# Altium PCB Yukitora.PcbDoc (part 2 of 3) (continued)
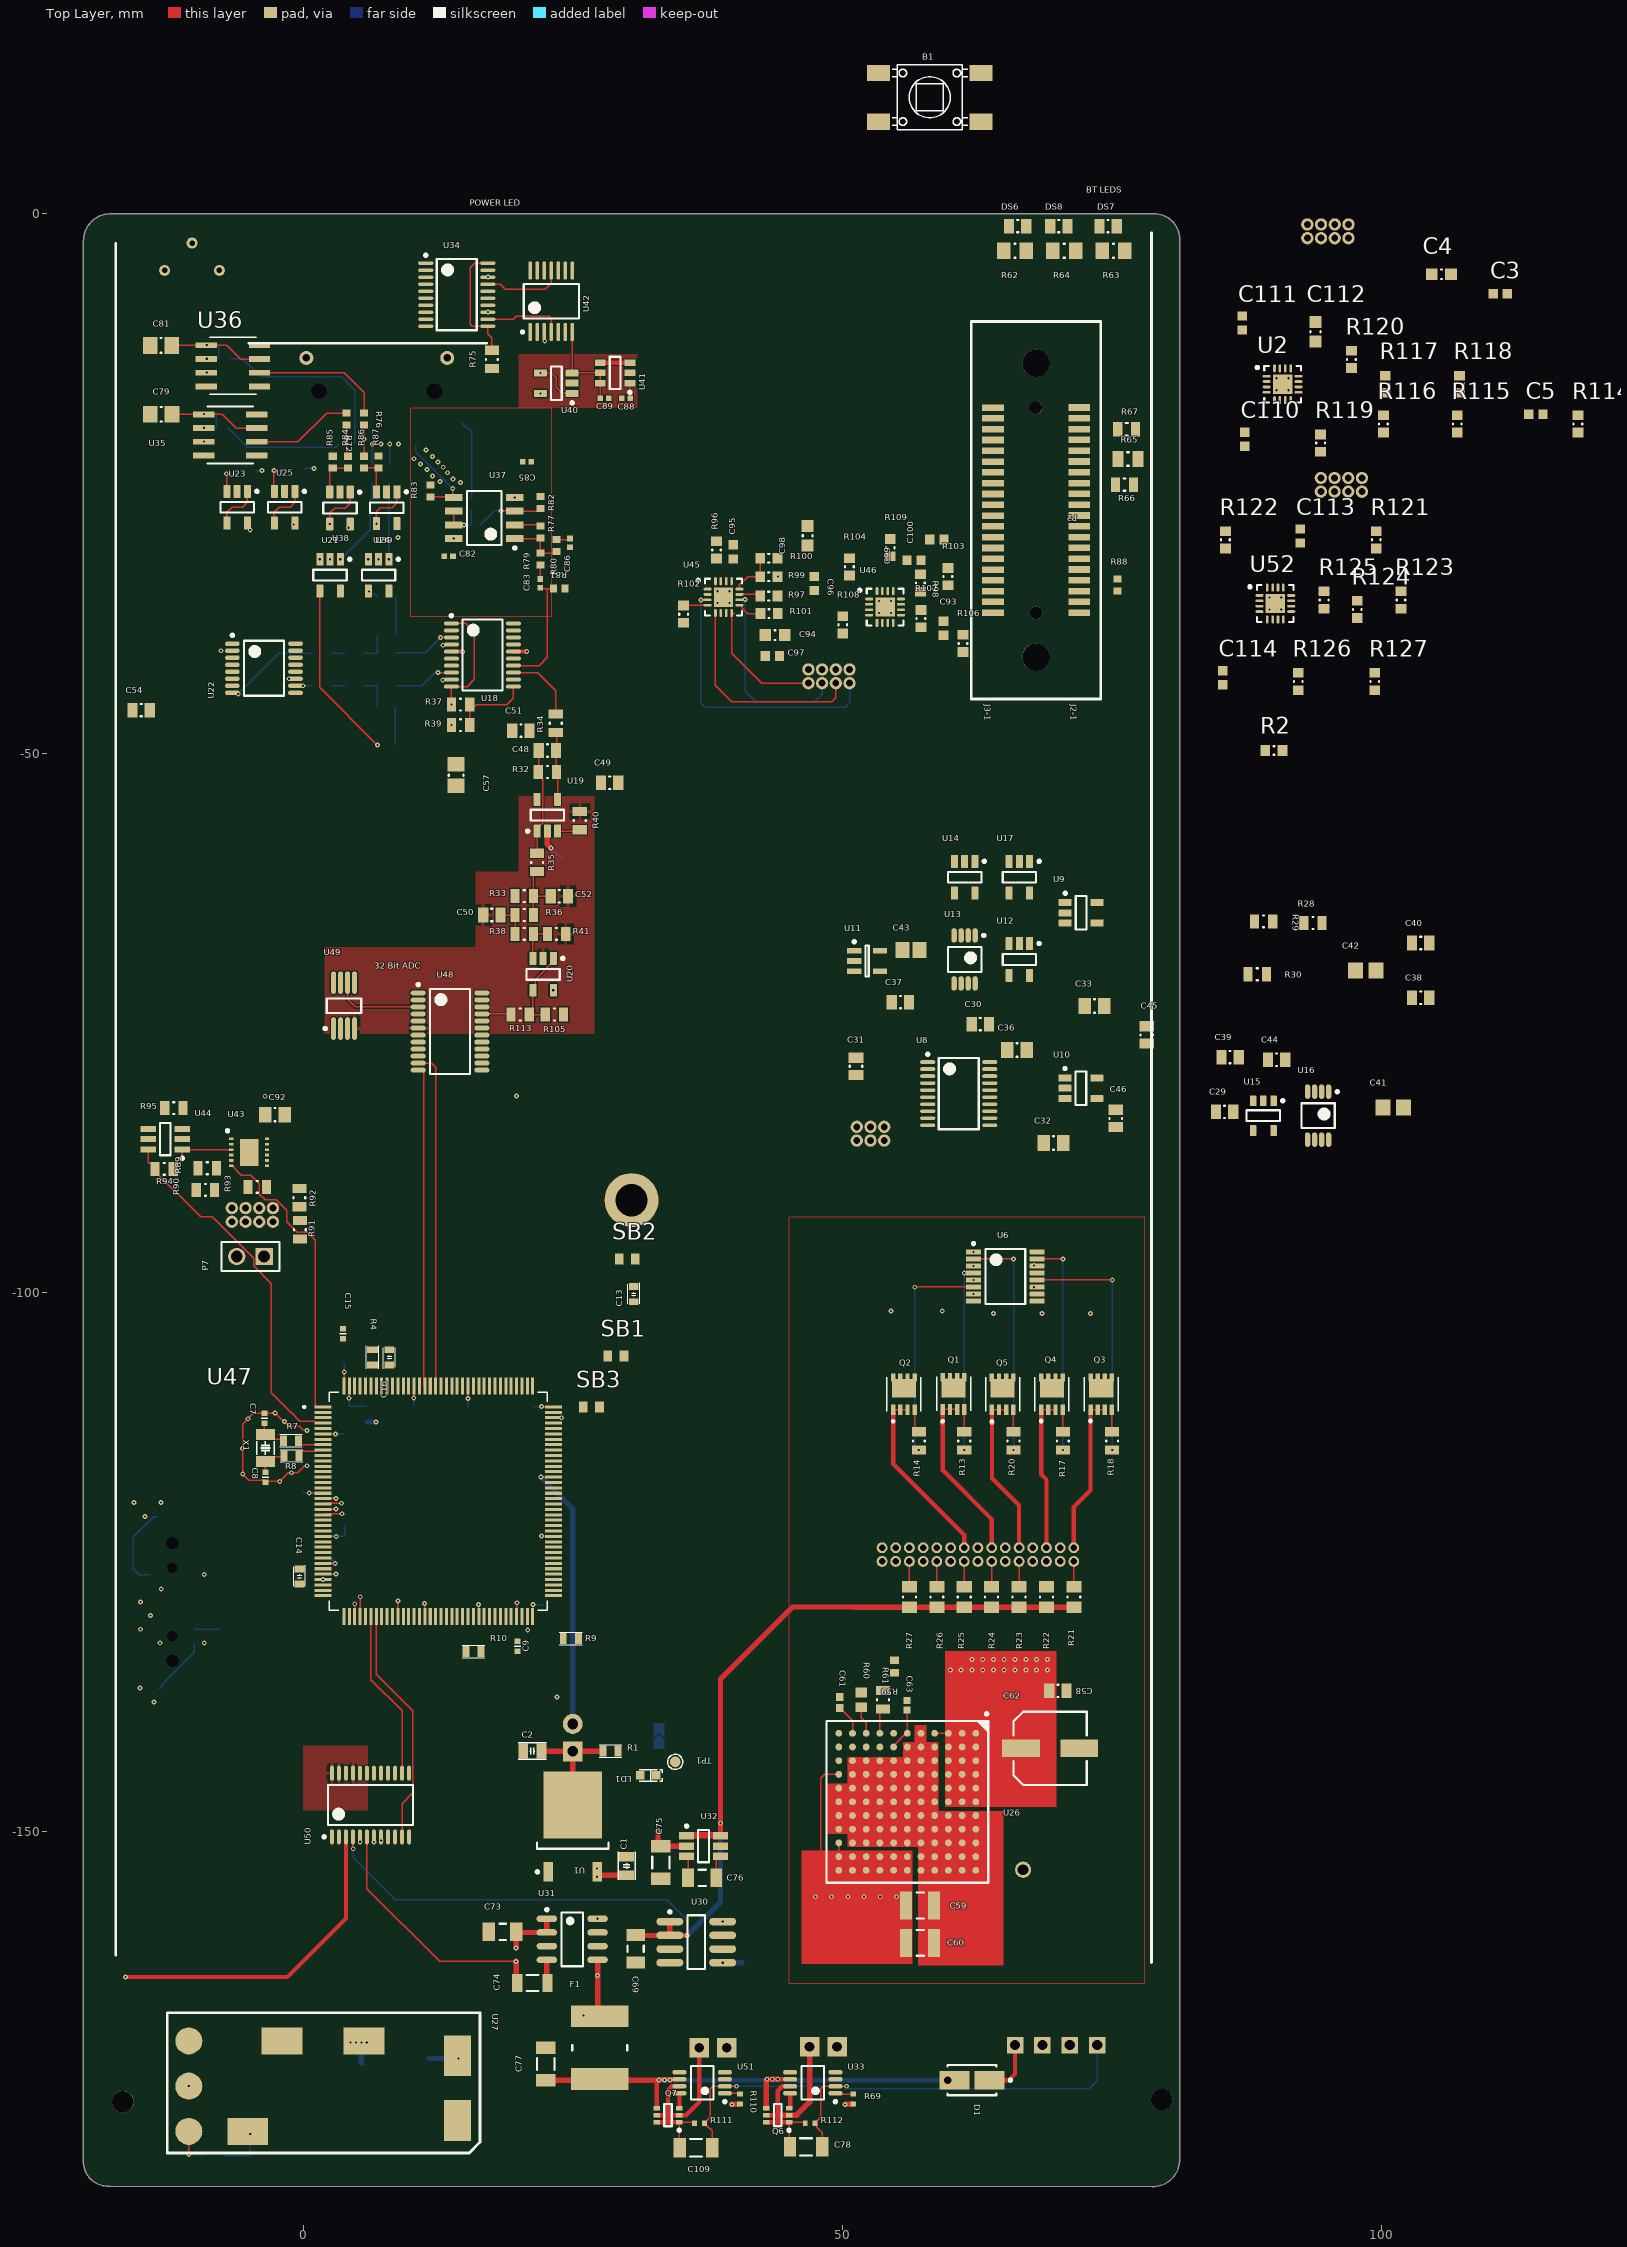
[diagram p0: Top Layer view]
## Part data (continued)
C57 C79 C81: library part CMP-1036-01414-1, "CAP 33pF 25V ±2% 0805 (2012 Metric) Thickness 0.75mm SMD", Case-EIA=0805, Case-Metric=2012, Rated Voltage="25 V", Tolerance=±2%, Max Thickness="0.75 mm", Technology=SMT
C58: library part CMP-1036-04882-1, "22uF 25V X7R 20% 0805", Capacitance=22uF, Case/Package=0805, Case Code (Metric)=2012, Dielectric=X7R, Manufacturer="Kyocera AVX", Manufacturer Part Number=08053C105JAT2A, Max Operating Temperature=125°C, Min Operating Temperature=-55°C, Package Quantity=2000, Supplier Part Number 1=478-10487-1-ND, Tolerance=5%, Voltage Rating=25V, Case Code (Imperial)=0805, ComponentLink1Description=https://datasheet.ciiva.com/221/cx7r-221690.pdf?src-supplier=Digi-Key, ComponentLink1URL=https://datasheet.ciiva.com/221/cx7r-221690.pdf?src-supplier=Digi-Key, ComponentLink2Description=https://datasheet.ciiva.com/5419/cx7r-218113-5419770.pdf?src-supplier=Mouser, ComponentLink2URL=https://datasheet.ciiva.com/5419/cx7r-218113-5419770.pdf?src-supplier=Mouser, ComponentLink3Description=https://datasheet.ciiva.com/28586/1679506-28586091.pdf?src-supplier=Element14, ComponentLink3URL=https://datasheet.ciiva.com/28586/1679506-28586091.pdf?src-supplier=Element14, ComponentLink4Description=https://datasheet.ciiva.com/11499/cx7r-11499836.pdf?src-supplier=Avnet, ComponentLink4URL=https://datasheet.ciiva.com/11499/cx7r-11499836.pdf?src-supplier=Avnet, Contact Plating=Tin, Depth=1.25mm, Height=1.4mm, Lead Free="Lead Free", Length=2.01mm, Mount="Surface Mount", Number of Pins=2, Packaging="Tape and Reel", Pricing 1="1=0.44000, 10=0.30400, 100=0.18220, 500=0.13662, 1000=0.11537 (USD)", Radiation Hardening=No, REACH SVHC=Unknown, RoHS=Yes, Stock 1=13733, Supplier 1=Digi-Key, Termination=SMD/SMT, Thickness=0.037inch, Voltage Rating (DC)=25V, Width=0.049inch
C59 C60: library part CMP-2000-07550-1, "Chip Capacitor, 4.7 uF, +/- 10%, 50 V, -55 to 125 degC, 1210 (3225 Metric), RoHS, Tape and Reel", Capacitance=4.7uF, Case\/Package=1210, Case Code (Metric)=3225, Dielectric=X7R, Dielectric Material=Ceramic, Manufacturer=Kemet, Max Operating Temperature=125degC, Min Operating Temperature=-55degC, Package Description="2-Pin Surface Mount Device, Body 3.2 x 2.5 mm", Package Quantity=1000, Supplier Part Number 1=399-6785-1-ND, Tolerance=10%, Voltage=50V, Case Code (Imperial)=1210, Datasheet URL=https://search.kemet.com/component-edge/download/datasheet/C1210C475K5RACTU.pdf, Datasheet Version=06/2017, Depth=2.5mm, Height=0.098inch, Length=3.2mm, Manufacturer URL=http://www.kemet.com/, Mount=SurfaceMount, Mounting Technology=SurfaceMount, Number of Pins=2, Package Reference=1210, Packaging=TapeandReel, Radiation Hardening=No, REACH SVHC=NoSVHC, RoHSCompliant=True, Supplier 1=Digi-Key, Termination=SMD/SMT, Thickness=0.11inch, Voltage Rating=50V, Voltage Rating (DC)=50V, Width=0.098inch
C61: library part CMP-1034-02089-1, "0.22µF ±10% 16V Ceramic Capacitor X7R 0402 (1005 Metric)", Capacitance=220nF, Case-EIA=0402, Case-Metric=1005, Dielectric=X7R, Manufacturer=Murata, Max Operating Temperature=125°C, Min Operating Temperature=-55°C, Package Quantity=1, Rated Voltage="16 V", Supplier Part Number 1=490-5418-1-ND, Tolerance=±10%, Voltage=16V, Case/Package=0402, Case Code (Imperial)=0402, Case Code (Metric)=1005, ComponentLink1Description=https://datasheet.ciiva.com/18184/getdatasheetpartid-347270-18184668.pdf?src-supplier=Verical, ComponentLink1URL=https://datasheet.ciiva.com/18184/getdatasheetpartid-347270-18184668.pdf?src-supplier=Verical, ComponentLink2Description=https://datasheet.ciiva.com/132/product-132672.pdf?src-supplier=Digi-Key, ComponentLink2URL=https://datasheet.ciiva.com/132/product-132672.pdf?src-supplier=Digi-Key, ComponentLink3Description=https://datasheet.ciiva.com/29199/454127-da-01-en-vs-kondensator-0402-29199807.pdf?src-supplier=Conrad, ComponentLink3URL=https://datasheet.ciiva.com/29199/454127-da-01-en-vs-kondensator-0402-29199807.pdf?src-supplier=Conrad, ComponentLink4Description=https://datasheet.ciiva.com/16467/product-16467307.pdf?src-supplier=Future+Electronics, ComponentLink4URL=https://datasheet.ciiva.com/16467/product-16467307.pdf?src-supplier=Future+Electronics, ComponentLink5Description=https://datasheet.ciiva.com/48671/product-48671325.pdf?src-supplier=Avnet, ComponentLink5URL=https://datasheet.ciiva.com/48671/product-48671325.pdf?src-supplier=Avnet, ComponentLink6Description=https://datasheet.ciiva.com/132/partnumbering-e-01-132670.pdf?src-supplier=Digi-Key, ComponentLink6URL=https://datasheet.ciiva.com/132/partnumbering-e-01-132670.pdf?src-supplier=Digi-Key, ComponentLink7Description=https://datasheet.ciiva.com/132/partnumbering-e-01-132671.pdf?src-supplier=Digi-Key, ComponentLink7URL=https://datasheet.ciiva.com/132/partnumbering-e-01-132671.pdf?src-supplier=Digi-Key, Depth=0.5mm, Height=0.5mm, Lead Free="Lead Free", Length=1mm, Manufacturer Part Number=GRM155R71C224KA12D, Material=Ceramic, Max Thickness="0.6 mm", Mount="Surface Mount", Packaging="Tape and Reel", Pricing 1="1=0.14000, 10=0.10100, 100=0.04750, 500=0.03334, 1000=0.02760, 2500=0.02568, 5000=0.02350 (USD)", Radiation Hardening=No, REACH SVHC="No SVHC", RoHS=Yes, Stock 1=353724, Supplier 1=Digi-Key, Technology=SMT, Termination=SMD/SMT, Thickness=0.022inch, Voltage Rating=16V, Voltage Rating (DC)=16V, Width=0.02inch
C62: library part CMP-0687-00036-1, "Aluminum Electrolytic Capacitor, UD Series, Low Impedance, 68 uF, 25 V, + / - 20%, -55 to 105 degC, Chip Type, 6.3 x 5.8 mm D x L, Pb-Free, Reel", Manufacturer=Nichicon, Rated Capacitance="68 uF", Rated Ripple Current (at 100kHz)="230 mA", Rated Voltage="25 V", Supplier Part Number 1=493-2275-1-ND, Tolerance Rated Capacitance="-20 to 20%", ComponentLink1Description="Manufacturer URL", ComponentLink1URL=http://www.nichicon.co.jp/, ComponentLink2Description=Datasheet, ComponentLink2URL=http://products.nichicon.co.jp/en/pdf/XJA043/e-ud.pdf, ComponentLink3Description="Package Specification", ComponentLink3URL=http://products.nichicon.co.jp/en/pdf/XJA043/e-ud.pdf, DatasheetVersion=08/2012, Diameter="6.3 mm", Endurance Time="2000 h", Impedance="0.44 Ohm", Length="5.8 mm", Mounting Technology="Surface Mount", PackageDescription="2-Pin Surface Mount Device, Diameter 6.3 mm, Height 5.8 mm, Pitch 5.4 mm", PackageReference=CAPAE-D6.3H5.8, Packing="Dia382mm Reel", PartNumber=UUD1E680MCL1GS, RoHS=TRUE, Supplier 1=Digi-Key
C63: library part CMP-2008-02797-1, "10000pF ±10% 16V Ceramic Capacitor X7R 0402 (1005 Metric)", Capacitance=10nF, Case/Package=0402, Case Code (Metric)=1005, Dielectric=X7R, Insulation Resistance=100GR, Manufacturer="AVX Interconnect / Elco", Max Operating Temperature=125°C, Min Operating Temperature=-55°C, Package Quantity=1, Supplier Part Number 1=478-1114-1-ND, Tolerance=10%, Voltage=16V, Case Code (Imperial)=0402, ComponentLink1Description=https://datasheet.ciiva.com/11788/0900766b80dc2409-11788541.pdf?src-supplier=RSComponents, ComponentLink1URL=https://datasheet.ciiva.com/11788/0900766b80dc2409-11788541.pdf?src-supplier=RSComponents, ComponentLink2Description=https://datasheet.ciiva.com/1123/319609-1123954.pdf?src-supplier=Element14, ComponentLink2URL=https://datasheet.ciiva.com/1123/319609-1123954.pdf?src-supplier=Element14, ComponentLink3Description=https://datasheet.ciiva.com/1123/319609-1123955.pdf?src-supplier=Element14, ComponentLink3URL=https://datasheet.ciiva.com/1123/319609-1123955.pdf?src-supplier=Element14, ComponentLink4Description=https://datasheet.ciiva.com/14596/70001075-14596855.pdf?src-supplier=Allied+Electronics, ComponentLink4URL=https://datasheet.ciiva.com/14596/70001075-14596855.pdf?src-supplier=Allied+Electronics, ComponentLink5Description=https://datasheet.ciiva.com/2987/cx7r-2987704.pdf?src-supplier=Avnet, ComponentLink5URL=https://datasheet.ciiva.com/2987/cx7r-2987704.pdf?src-supplier=Avnet, ComponentLink6Description=https://datasheet.ciiva.com/22749/683218-22749625.pdf?src-supplier=Element14, ComponentLink6URL=https://datasheet.ciiva.com/22749/683218-22749625.pdf?src-supplier=Element14, ComponentLink7Description=https://datasheet.ciiva.com/16290/cx7r-16290154.pdf?src-supplier=Future+Electronics, ComponentLink7URL=https://datasheet.ciiva.com/16290/cx7r-16290154.pdf?src-supplier=Future+Electronics, ComponentLink8Description=https://datasheet.ciiva.com/7709/683218-7709771.pdf?src-supplier=Element14, ComponentLink8URL=https://datasheet.ciiva.com/7709/683218-7709771.pdf?src-supplier=Element14, ComponentLink9Description=https://datasheet.ciiva.com/15212/getdatasheetpartid-110062-15212107.pdf?src-supplier=Verical, ComponentLink9URL=https://datasheet.ciiva.com/15212/getdatasheetpartid-110062-15212107.pdf?src-supplier=Verical, ComponentLink10Description=https://datasheet.ciiva.com/5417/cx7r-218113-5417068.pdf?src-supplier=Mouser, ComponentLink10URL=https://datasheet.ciiva.com/5417/cx7r-218113-5417068.pdf?src-supplier=Mouser, ComponentLink11Description=https://datasheet.ciiva.com/150/cx7r-150221.pdf?src-supplier=Digi-Key, ComponentLink11URL=https://datasheet.ciiva.com/150/cx7r-150221.pdf?src-supplier=Digi-Key, ComponentLink12Description=https://datasheet.ciiva.com/150/cx7r-150222.pdf?src-supplier=Digi-Key, ComponentLink12URL=https://datasheet.ciiva.com/150/cx7r-150222.pdf?src-supplier=Digi-Key, ComponentLink13Description=https://datasheet.ciiva.com/150/cx7r-150223.pdf?src-supplier=Digi-Key, ComponentLink13URL=https://datasheet.ciiva.com/150/cx7r-150223.pdf?src-supplier=Digi-Key, Contact Plating=Tin, Depth=0.5mm, Height=0.5mm, Lead Free="Lead Free", Length=1mm, Manufacturer Part Number=0402YC103KAT2A, Mount="Surface Mount", Packaging="Tape and Reel", Part Number=0402YC103KAT2A, Pricing 1="1=0.10000, 10=0.03800, 100=0.01690, 500=0.01210, 1000=0.00950, 2500=0.00864, 5000=0.00795 (USD)", Radiation Hardening=No, REACH SVHC="No SVHC", RoHS=Yes, Stock 1=3382324, Supplier 1=Digi-Key, Termination=SMD/SMT, Thickness=0.022inch, Voltage Rating=16V, Voltage Rating (DC)=16V, Width=0.5mm
C64: library part CMP-1036-04882-1, "4700pF ±10% 100V Ceramic Capacitor X7R 1206 (3216 Metric)", Capacitance=4.7nF, Case/Package=0805, Case Code (Metric)=2012, Dielectric=X7R, Dielectric Material=Tantalum, Manufacturer=KEMET, Max Operating Temperature=125°C, Min Operating Temperature=-55°C, Package Quantity=4000, Supplier Part Number 1=399-17897-1-ND, Tolerance=10%, Voltage Rating (DC)=25V, Case Code (Imperial)=0805, ComponentLink1Description=https://api.kemet.com/component-edge/download/datasheet/C1206C472K1RECAUTO.pdf?src-supplier=Digi-Key, ComponentLink1URL=https://api.kemet.com/component-edge/download/datasheet/C1206C472K1RECAUTO.pdf?src-supplier=Digi-Key, ComponentLink2Description=https://datasheet.ciiva.com/11495/vjw1bcbascomseries-11495305.pdf?src-supplier=Avnet, ComponentLink2URL=https://datasheet.ciiva.com/11495/vjw1bcbascomseries-11495305.pdf?src-supplier=Avnet, Depth=1.25mm, Height=1.45mm, Lead Free="Lead Free", Length=2mm, Manufacturer Part Number=C1206C472K1RECAUTO, Mount="Surface Mount", Packaging="Tape and Reel", Pricing 1="1=0.27000, 10=0.18700, 100=0.10610, 500=0.07490, 1000=0.06554 (USD)", Pricing 2="1=0.44000, 10=0.44000, 50=0.35100, 100=0.26700, 1000=0.10100, 10000=0.04500 (USD)", RoHS=No, Stock 1=11581, Stock 2=549, Supplier 1=Digi-Key, Supplier 2=Mouser, Supplier Part Number 2=77-VJ0805Y472KXXCBC, Termination=SMD/SMT, Width=1.25mm
C65: library part CMP-1038-00936-1, "4700pF ±10% 100V Ceramic Capacitor X7R 1206 (3216 Metric)", Capacitance=4.7uF, Manufacturer=KEMET, Supplier Part Number 1=399-17897-1-ND, ComponentLink1Description=https://datasheet.ciiva.com/193/kem-c1015-x7r-ff-cap-smd-193189.pdf?src-supplier=Digi-Key, ComponentLink1URL=https://datasheet.ciiva.com/193/kem-c1015-x7r-ff-cap-smd-193189.pdf?src-supplier=Digi-Key, ComponentLink2Description=https://datasheet.ciiva.com/7807/6129-7807311.pdf?src-supplier=Element14, ComponentLink2URL=https://datasheet.ciiva.com/7807/6129-7807311.pdf?src-supplier=Element14, ComponentLink3Description=http://www.mouser.com/ds/2/212/KEM_C1013_X7R_FT-CAP_SMD-346914.pdf?src-supplier=Mouser, ComponentLink3URL=http://www.mouser.com/ds/2/212/KEM_C1013_X7R_FT-CAP_SMD-346914.pdf?src-supplier=Mouser, ComponentLink4Description=https://api.kemet.com/component-edge/download/datasheet/C1206C472K1RECAUTO.pdf?src-supplier=Digi-Key, ComponentLink4URL=https://api.kemet.com/component-edge/download/datasheet/C1206C472K1RECAUTO.pdf?src-supplier=Digi-Key, Manufacturer Part Number=C1206C472K1RECAUTO, Pricing 1="1=0.27000, 10=0.18700, 100=0.10610, 500=0.07490, 1000=0.06554 (USD)", RoHS=No, Stock 1=11581, Supplier 1=Digi-Key
C69 C73: library part CMP-2000-06351-1, "Chip Capacitor, 10 uF, +/- 10%, 16 V, -55 to 125 degC, 1206 (3216 Metric), RoHS, Tape and Reel", Capacity (elec.)=10µF, Manufacturer=Murata, Nominal voltage=16V, Package Description="2-Pin Surface Mount Device, Body 3.2 x 1.6 mm", Package Reference=1206, Tolerance=10%, Category=Ceramiccapacitor, Content=1pc(s), Datasheet URL=http://psearch.en.murata.com/capacitor/product/GRM31CR71C106KA12%23.pdf, Datasheet Version=10/2016, Manufacturer URL=http://www.murata.com/, Material=Ceramic, Material properties=X7R, Mounting Technology=SurfaceMount, Type=SMD
C70 C72 C76: library part CMP-2000-06011-1, "Chip Capacitor, 1 uF, +/- 10%, 50 V, -55 to 125 degC, 1206 (3216 Metric), RoHS, Tape and Reel", Capacitance=1uF, Capacitance - nF=1000nF, Case Code - in=1206, Case Code - mm=3216, Case Height=1mm, Case Length=3.2mm, Case Width=1.6mm, Dielectric=X7R, Manufacturer=Kemet, Maximum Operating Temperature=+125C, Minimum Operating Temperature=-55C, Operating Temperature Range=-55Cto+125C, Package / Case=1206(3216metric), Package Description="2-Pin Surface Mount Device, Body 3.2 x 1.6 mm", Temperature Coefficient / Code=+/-15%, Tolerance=10%, Voltage Rating=50V, =C1206C105K5RAC7800, Brand=Kemet, Class=Class1, Datasheet URL=http://www.kemet.com/docfinder?Partnumber=C1206C105K5RACTU, Datasheet Version=02/2016, Dimensions=1.6mmWx3.2mmLx1mmH, Factory Pack Quantity=2500, Manufacturer URL=http://www.kemet.com/, Mounting Technology=SurfaceMount, Package Reference=1206, Packaging=Reel, Product=GeneralTypeMLCCs, Product Category=MultilayerCeramicCapacitorsMLCC-SMD/SMT, RoHS=Details, Series=C1206C, Termination Style=SMD/SMT, Type=SMDMLCCX7R6.3-250VDCCommericalGrade, Voltage Rating DC=50V
C71 C74: library part CMP-1037-03470-1, "CAP 10nF 16V ±10% 1206 (3216 Metric) Thickness 1.1mm SMD", Case-EIA=1206, Case-Metric=3216, Rated Voltage="16 V", Tolerance=±10%, Max Thickness="1.1 mm", Technology=SMT
C75: library part CMP-1037-04913-1, "10µF ±20% 6.3V Ceramic Capacitor X5R 1206 (3216 Metric)", Capacitance=10uF, Manufacturer="Taiyo Yuden", Operating Temperature="-55°C ~ 85°C", Package / Case="1206 (3216 Metric)", Ratings=-, Supplier Part Number 1=587-5447-1-ND, Temperature Coefficient=X5R, Tolerance=±20%, Voltage - Rated=6.3V, Applications="SMPS Filtering", Category=Capacitors, ComponentLink1Description=http://ds.yuden.co.jp/TYCOMPAS/ut/detail.do?productNo=JMK316BJ106ML-T&fileName=JMK316BJ106ML-T_SS&mode=specSheetDownload, ComponentLink1URL=http://ds.yuden.co.jp/TYCOMPAS/ut/detail.do?productNo=JMK316BJ106ML-T&fileName=JMK316BJ106ML-T_SS&mode=specSheetDownload, Failure Rate=-, Features=-, Height - Seated (Max)=-, Lead Spacing=-, Lead Style=-, Manufacturer Part Number=JMK316BJ106ML-T, Mounting Type="Surface Mount, MLCC", Notification="Current market demand for these product types have resulted in fluctuating and extending lead times. Lead times may differ.", Packaging="Cut Tape (CT)", Part Status=Active, Pricing 1="1=0.24, 10=0.161, 100=0.0817, 500=0.05592, 1000=0.04946 (USD)", RoHS="RoHS Compliant", Size / Dimension="0.126\" L x 0.063\" W (3.20mm x 1.60mm)", Stock 1=5600, Supplier 1=Digi-Key, Thickness (Max)="0.071\" (1.80mm)"
C77: library part CMP-1037-04913-1, Capacitance=22pF, Manufacturer="Taiyo Yuden", Manufacturer Part Number=JMK316BJ106ML-T, Operating Temperature="-55°C ~ 85°C", Package / Case="1206 (3216 Metric)", Ratings=-, Supplier Part Number 1=587-5447-1-ND, Temperature Coefficient=X5R, Tolerance=±20%, Voltage - Rated=6.3V, Applications="SMPS Filtering", Category=Capacitors, ComponentLink1Description=http://ds.yuden.co.jp/TYCOMPAS/ut/detail.do?productNo=JMK316BJ106ML-T&fileName=JMK316BJ106ML-T_SS&mode=specSheetDownload, ComponentLink1URL=http://ds.yuden.co.jp/TYCOMPAS/ut/detail.do?productNo=JMK316BJ106ML-T&fileName=JMK316BJ106ML-T_SS&mode=specSheetDownload, Failure Rate=-, Features=-, Height - Seated (Max)=-, Lead Spacing=-, Lead Style=-, Mounting Type="Surface Mount, MLCC", Notification="Current market demand for these product types have resulted in fluctuating and extending lead times. Lead times may differ.", Packaging="Cut Tape (CT)", Part Status=Active, Pricing 1="1=0.24, 10=0.161, 100=0.0817, 500=0.05592, 1000=0.04946 (USD)", RoHS="RoHS Compliant", Size / Dimension="0.126\" L x 0.063\" W (3.20mm x 1.60mm)", Stock 1=5600, Supplier 1=Digi-Key, Thickness (Max)="0.071\" (1.80mm)"
C78 C109: library part CMP-1037-04913-1, Capacitance=.1uF, Manufacturer="Taiyo Yuden", Manufacturer Part Number=JMK316BJ106ML-T, Operating Temperature="-55°C ~ 85°C", Package / Case="1206 (3216 Metric)", Ratings=-, Supplier Part Number 1=587-5447-1-ND, Temperature Coefficient=X5R, Tolerance=±20%, Voltage - Rated=6.3V, Applications="SMPS Filtering", Category=Capacitors, ComponentLink1Description=http://ds.yuden.co.jp/TYCOMPAS/ut/detail.do?productNo=JMK316BJ106ML-T&fileName=JMK316BJ106ML-T_SS&mode=specSheetDownload, ComponentLink1URL=http://ds.yuden.co.jp/TYCOMPAS/ut/detail.do?productNo=JMK316BJ106ML-T&fileName=JMK316BJ106ML-T_SS&mode=specSheetDownload, Failure Rate=-, Features=-, Height - Seated (Max)=-, Lead Spacing=-, Lead Style=-, Mounting Type="Surface Mount, MLCC", Notification="Current market demand for these product types have resulted in fluctuating and extending lead times. Lead times may differ.", Packaging="Cut Tape (CT)", Part Status=Active, Pricing 1="1=0.24, 10=0.161, 100=0.0817, 500=0.05592, 1000=0.04946 (USD)", RoHS="RoHS Compliant", Size / Dimension="0.126\" L x 0.063\" W (3.20mm x 1.60mm)", Stock 1=5600, Supplier 1=Digi-Key, Thickness (Max)="0.071\" (1.80mm)"
C82 C83 C84 C85 C86 C87 C88 C89 C91: library part CMP-1034-00252-1, "CAP CER 0.1UF 10V X7R 0402", Manufacturer="Murata Electronics North America", Manufacturer Part Number=GRM155R71A104KA01D, Operating Temperature="-55°C ~ 125°C", Package / Case="0402 (1005 Metric)", Ratings=-, Supplier Part Number 1=490-6321-1-ND, Temperature Coefficient=X7R, Tolerance=±10%, Voltage - Rated=10V, Applications="General Purpose", Category=Capacitors, ComponentLink1Description=http://www.murata.com/~/media/webrenewal/support/library/catalog/products/capacitor/mlcc/c02e.ashx?la=en-us, ComponentLink1URL=http://www.murata.com/~/media/webrenewal/support/library/catalog/products/capacitor/mlcc/c02e.ashx?la=en-us, Features=-, Height - Seated (Max)=-, Lead Spacing=-, Mounting Type="Surface Mount, MLCC", Packaging="Cut Tape (CT)", Part Status=Active, Pricing 1="1=0.1, 10=0.014, 100=0.0063, 500=0.00446, 1000=0.00351, 2500=0.00319, 5000=0.00293 (USD)", RoHS="RoHS Compliant", Size / Dimension="0.039\" L x 0.020\" W (1.00mm x 0.50mm)", Stock 1=2920395, Supplier 1=Digi-Key, Thickness (Max)="0.022\" (0.55mm)"
C90: library part CMP-1036-04795-1, "CAP CER 10UF 25V X7R 0805", Capacitance=10µF, Manufacturer="Murata Electronics North America", Manufacturer Part Number=GRM21BR71E104KA01L, Operating Temperature="-55°C ~ 125°C", Package / Case="0805 (2012 Metric)", Ratings=-, Supplier Part Number 1=490-1673-6-ND, Temperature Coefficient=X7R, Tolerance=±10%, Voltage - Rated=25V, Applications="General Purpose", Category=Capacitors, ComponentLink1Description=http://www.murata.com/~/media/webrenewal/support/library/catalog/products/capacitor/mlcc/c02e.ashx, ComponentLink1URL=http://www.murata.com/~/media/webrenewal/support/library/catalog/products/capacitor/mlcc/c02e.ashx, Features=-, Height - Seated (Max)=-, Lead Spacing=-, Lead Style=-, Mounting Type="Surface Mount, MLCC", Packaging=Digi-Reel®, Part Status=Active, Pricing 1="1=0.2, 10=0.145, 100=0.0683, 500=0.04788, 1000=0.03964 (USD)", RoHS="RoHS Compliant", Size / Dimension="0.079\" L x 0.049\" W (2.00mm x 1.25mm)", Stock 1=891652, Supplier 1=Digi-Key, Thickness (Max)="0.053\" (1.35mm)"
CN1: library part MCD-01226, "Header 5x2, 1.27mm, Dual row, Straight, Surface mount, vertical male connector. 3.05mm lead. Mates with FFSD connector. Footprint compatible with FTSH-107-01-L-DV,-K,-A,-P,-ES (STDC14 MEDIUM)", Alternate_Manufacturer=JIUBABA, Alternate_Manufacturer_Part_Number=P127B-2x05MGF-079-1A, Manufacturer=SAMTEC, Manufacturer_Part_Number=FTSH-105-01-L-DV-K, ComponentLink1Description=Datasheet, ComponentLink1URL=http://tunmcdsvn.tun.st.com/Component_Datasheet_Library/Trunk/Connectors/Samtec_FTSH_smt_series, ECCN_EU=n/a, ECCN_US=n/a, Internal_Part_Number=MCD-01226, Part_Type=Connector, Provided_By=SUBCO, Status=Released
D1: library part "D Schottky", "DIODE SCHOTTKY 40V 5A DO214AB", Capacitance @ Vr, F="380pF @ 4V, 1MHz", Current - Average Rectified (Io)=5A, Manufacturer="Comchip Technology", Operating Temperature - Junction="-50°C ~ 150°C", Package / Case="DO-214AC, SMA", Supplier Device Package="DO-214AC (SMA)", Supplier Part Number 1=641-1707-6-ND, Category="Discrete Semiconductor Products", ComponentLink1Description=http://www.comchiptech.com/cms/UserFiles/CDBA540-HF%20Thru505315.%20CDBA5200-HF%20RevC.pdf, ComponentLink1URL=http://www.comchiptech.com/cms/UserFiles/CDBA540-HF%20Thru505315.%20CDBA5200-HF%20RevC.pdf, Diode Type=Schottky, Manufacturer Part Number=CDBA540-HF, Mounting Type="Surface Mount", Packaging=Digi-Reel®, Part Status=Active, Pricing 1="1=0.49, 10=0.381, 25=0.3208, 100=0.2612, 250=0.2164, 500=0.1791, 1000=0.13432, 2500=0.12313 (USD)", RoHS="RoHS Compliant", Speed="Fast Recovery =< 500ns, > 200mA (Io)", Stock 1=7367, Supplier 1=Digi-Key
DS1 DS2 DS3 DS4 DS5: library part "LED A/K", Case/Package=0805, Case Code (Metric)=2012, Colour=Red, Forward Current=20mA, Forward Voltage=2V, Lens Colour=Colorless, Manufacturer="Vishay / Lite-On", Manufacturer Part Number=LTST-S220KRKT, Max Operating Temperature=85°C, Min Operating Temperature=-55°C, Package Quantity=4000, Power Dissipation=75mW, Supplier Part Number 1=160-1469-1-ND, Case Code (Imperial)=0805, ComponentLink1Description=https://datasheet.ciiva.com/2110/s-110-ltst-s220krkt-2110132.pdf, ComponentLink1URL=https://datasheet.ciiva.com/2110/s-110-ltst-s220krkt-2110132.pdf, ComponentLink2Description=https://datasheet.ciiva.com/2110/s-110-ltst-s220krkt-2110133.pdf, ComponentLink2URL=https://datasheet.ciiva.com/2110/s-110-ltst-s220krkt-2110133.pdf, ComponentLink3Description=https://datasheet.ciiva.com/2110/s-110-ltst-s220krkt-2110134.pdf, ComponentLink3URL=https://datasheet.ciiva.com/2110/s-110-ltst-s220krkt-2110134.pdf, ComponentLink4Description=https://datasheet.ciiva.com/12403/lite-on-ltst-s220krkt-187389-12403798.pdf, ComponentLink4URL=https://datasheet.ciiva.com/12403/lite-on-ltst-s220krkt-187389-12403798.pdf, ComponentLink5Description=https://datasheet.ciiva.com/16345/lite-onltst-s220krkt-16345511.pdf, ComponentLink5URL=https://datasheet.ciiva.com/16345/lite-onltst-s220krkt-16345511.pdf, ComponentLink6Description=https://datasheet.ciiva.com/15118/getdatasheetpartid-225752-15118120.pdf, ComponentLink6URL=https://datasheet.ciiva.com/15118/getdatasheetpartid-225752-15118120.pdf, ComponentLink7Description=https://datasheet.ciiva.com/14633/0900766b80dc0b76-14633737.pdf, ComponentLink7URL=https://datasheet.ciiva.com/14633/0900766b80dc0b76-14633737.pdf, ComponentLink8Description=https://datasheet.ciiva.com/11775/0900766b80dc0b76-11775439.pdf, ComponentLink8URL=https://datasheet.ciiva.com/11775/0900766b80dc0b76-11775439.pdf, Depth=0.6mm, Dominant Wavelength=631nm, Height=0.6mm, Illumination Colour=Red, Lead Free="Lead Free", Length=2.1mm, Lens Style=Diffused,Colorless, Lens Transparency=Clear, Luminous Intensity=54mcd, Mount="Surface Mount", Number of Elements=1, Number of LEDs=1, Number of Pins=2, Packaging="Tape and Reel", Power Rating=75mW, Pricing 1="1=0.31, 10=0.225, 25=0.1656, 100=0.1183, 250=0.0804, 500=0.071, 1000=0.0556 (USD)", Radiation Hardening=No, Stock 1=108191, Supplier 1=Digi-Key, Test Current=20mA, Viewing Angle=130°, Wavelength=639nm, Width=1mm
DS6 DS7 DS8: library part "LED A/K", Case/Package=0805, Case Code (Metric)=2012, Colour=Green, Forward Current=20mA, Forward Voltage=2V, Lens Colour=Colorless, Manufacturer="Vishay / Lite-On", Manufacturer Part Number=LTST-S220KGKT, Max Operating Temperature=85°C, Min Operating Temperature=-55°C, Package Quantity=4000, Power Dissipation=75W, Power Rating=75mW, Supplier Part Number 1=160-1468-1-ND, Case Code (Imperial)=0805, ComponentLink1Description=https://datasheet.ciiva.com/11775/0900766b80dc0b70-11775441.pdf, ComponentLink1URL=https://datasheet.ciiva.com/11775/0900766b80dc0b70-11775441.pdf, ComponentLink2Description=https://datasheet.ciiva.com/2110/s-110-ltst-s220kgkt-2110069.pdf, ComponentLink2URL=https://datasheet.ciiva.com/2110/s-110-ltst-s220kgkt-2110069.pdf, ComponentLink3Description=https://datasheet.ciiva.com/2110/s-110-ltst-s220kgkt-2110070.pdf, ComponentLink3URL=https://datasheet.ciiva.com/2110/s-110-ltst-s220kgkt-2110070.pdf, ComponentLink4Description=https://datasheet.ciiva.com/12400/100-ltst-s220kgkt-59602-12400886.pdf, ComponentLink4URL=https://datasheet.ciiva.com/12400/100-ltst-s220kgkt-59602-12400886.pdf, ComponentLink5Description=https://datasheet.ciiva.com/2110/s-110-ltst-s220kgkt-2110071.pdf, ComponentLink5URL=https://datasheet.ciiva.com/2110/s-110-ltst-s220kgkt-2110071.pdf, ComponentLink6Description=https://datasheet.ciiva.com/16379/ltst-s220kgkt-16379082.pdf, ComponentLink6URL=https://datasheet.ciiva.com/16379/ltst-s220kgkt-16379082.pdf, ComponentLink7Description=http://www.farnell.com/cad/2124774.pdf, ComponentLink7URL=http://www.farnell.com/cad/2124774.pdf, ComponentLink8Description=http://www.farnell.com/datasheets/693084.pdf, ComponentLink8URL=http://www.farnell.com/datasheets/693084.pdf, Depth=0.6mm, Dominant Wavelength=568nm, Height=0.6mm, Illumination Colour=Green, Lead Free="Lead Free", Length=2.1mm, Lens Style=Diffused,Colorless, Lens Transparency=Clear, Luminous Intensity=35mcd, Mount="Surface Mount", Number of Elements=1, Number of LEDs=1, Number of Pins=2, Packaging="Tape and Reel", Pricing 1="1=0.29, 10=0.212, 25=0.1564, 100=0.1117, 250=0.0759, 500=0.067, 1000=0.0525 (USD)", Pricing 2="1=0.325, 10=0.317, 100=0.23, 200=0.228, 400=0.182, 900=0.147, 3000=0.114, 9000=0.107 (GBP)", Radiation Hardening=No, RoHS=YES, Stock 1=74800, Stock 2=2271, Supplier 1=Digi-Key, Supplier 2=Farnell, Supplier Part Number 2=2062310, Test Current=20mA, Viewing Angle=130°, Wavelength=574nm, Width=1mm
J1: "FCS8 Socket Assembly, 20-Pins, w/ Alignment Pins", Manufacturer=SAMTEC, CREATED="31 NOV 2013 - WENDY XIN", PCB DECAL=FCS8-10-01-X-S-A
JP1: library part MCD-00683, "Header, 2x1, 2,54mm, VR, TH, Height 5.84mm/2.54mm - Shunt Fitted by default", Alternate_Manufacturer=LIANYI, Alternate_Manufacturer_Part_Number=313102S111116, Manufacturer=SAMTEC, Manufacturer_Part_Number=TSW-102-07-x-S, ComponentLink1Description=Datasheet, ComponentLink1URL=http://tunmcdsvn.tun.st.com/Component_Datasheet_Library/Trunk/Connectors/Samtec_TSW-HTSW-series, ECCN_EU=n/a, ECCN_US=n/a, Internal_Part_Number=MCD-00683, Part_Type=Connector, Provided_By=SUBCO, Status=Released
LD1: library part MCD-00588, "LED Green, 0603 SMD, Forward Voltage Typ=2V, Max=2.5V", Alternate_Manufacturer="VISHAY SEMICONDUCTOR OPTO DIVISION", Alternate_Manufacturer_Part_Number=VLMTG1300-GS08, Manufacturer="OSRAM OPTO SEMICONDUCTORS", Manufacturer_Part_Number="LG Q396-PS-35", Package="LED 0603", ComponentLink1Description=Datasheet, ComponentLink1URL="http://tunmcdsvn.tun.st.com/Component_Datasheet_Library/Trunk/Display/OSRAM_LED_GREEN_LG Q396-PS-35", ECCN_EU=n/a, ECCN_US=n/a, Internal_Part_Number=MCD-00588, Order_Code_Digikey="LG Q396-PS-35-ND", Part_Type=Display, Provided_By=SUBCO, Status=Released
P1: Manufacturer=Samtec, Supplier Part Number 1=200-TFM10301LDRA, Manufacturer Part Number=TFM-103-01-L-D-RA, Pricing 1="1=2.15000, 10=1.78000, 50=1.78000, 100=1.33000, 1000=0.98500, 10000=0.92500 (USD)", RoHS=No, Stock 1=202, Supplier 1=Mouser, System=Connector
P2: Manufacturer=Samtec, Max Current Rating=1A, Max Operating Temperature=125°C, Min Operating Temperature=-55°C, ComponentLink1Description=https://datasheet.ciiva.com/9801/fsi-03-9801254.pdf?src-supplier=Avnet, ComponentLink1URL=https://datasheet.ciiva.com/9801/fsi-03-9801254.pdf?src-supplier=Avnet, Contact Material=Copper, Contact Plating=Gold, Depth=8.76mm, Gender=Male, Housing Material=Polymer, Length=34.1mm, Manufacturer Part Number=FSI-120-03-G-D-E-AB, Number of Contacts=40, Number of Rows=2, Orientation=Straight, Packaging=Rail/Tube, Pitch=1mm, Pricing 2="1=9.64000, 10=9.22000, 100=7.76000, 500=6.50000, 1000=5.74000 (USD)", RoHS=Yes, Stock 2=100, Supplier 1=Avnet, Supplier 2=Newark, Supplier Part Number 1=FSI-120-03-G-D-E-AB, Supplier Part Number 2=39AC0344, Termination=Solder
P4: Current Rating=-, Insulation Color=Natural, Manufacturer="Samtec Inc.", Material Flammability Rating="UL94 V-0", Operating Temperature="-55°C ~ 125°C", Supplier Part Number 1=SAM9597-ND, Voltage Rating="675VAC, 954VDC", Applications=-, Category="Connectors, Interconnects", ComponentLink1Description=http://suddendocs.samtec.com/prints/ipl1-1xx-xx-xxx-s-xx-x-xx-mkt.pdf, ComponentLink1URL=http://suddendocs.samtec.com/prints/ipl1-1xx-xx-xxx-s-xx-x-xx-mkt.pdf, Connector Type=Header, Contact Finish - Mating=Gold, Contact Finish - Post=Tin, Contact Finish Thickness - Mating="10µin (0.25µm)", Contact Finish Thickness - Post=-, Contact Length - Mating="0.215\" (5.46mm)", Contact Length - Post="0.085\" (2.16mm)", Contact Material="Phosphor Bronze", Contact Shape=Square, Contact Type="Male Pin", Fastening Type="Locking Ramp", Features=-, Ingress Protection=-, Insulation Height="0.240\" (6.10mm)", Insulation Material="Liquid Crystal Polymer (LCP)", Manufacturer Part Number=IPL1-104-01-L-S-RA-K, Mated Stacking Heights=-, Mounting Type="Through Hole, Right Angle", Number of Positions=4, Number of Positions Loaded=All, Number of Rows=1, Overall Contact Length=-, Packaging=Tube, Part Status=Active, Pitch - Mating="0.100\" (2.54mm)", Pricing 1="1=2.53, 10=2.424, 100=2.02, 500=1.717, 1000=1.4645, 5000=1.313 (USD)", RoHS="RoHS Compliant", Row Spacing - Mating=-, Shrouding="Shrouded - 4 Wall", Stock 1=265, Style="Board to Cable/Wire", Supplier 1=Digi-Key, Termination=Solder
P7: library part CMP-1502-01060-1, "THT Vertical Pin Header WR-PHD, Pitch 2.54 mm, Single Row, 2 pins", Contact Resistance=20mOhm, Manufacturer="Wurth Elektronik", Operating Temperature=-40to105degC, Rated Current=3A, Withstanding Voltage=500VAC, Working Voltage=250VAC, Datasheet URL=https://katalog.we-online.de/em/datasheet/6130xx11121.pdf, Gender=Male, Manufacturer URL=http://www.we-online.de, Mounting Technology=THT, Orientation=Vertical, Package Reference=61300211121, Packaging=Bag, Part Number=61300211121, Pin Number=2, Pitch=2.54mm, Publisher=WurthElektronik, Row Number=Single
Q1 Q2 Q3 Q4 Q5: "P-Channel 40 V 0.025 Ohm 39 W Surface Mount Power Mosfet - PowerPAK-1212-8", Continuous Drain Current (ID)=9.3A, Drain to Source Breakdown Voltage=-40V, Drain to Source Resistance=25mR, Drain to Source Voltage (Vdss)=40V, Gate to Source Voltage (Vgs)=20V, Input Capacitance=1.98nF, Manufacturer="Vishay Siliconix", Max Operating Temperature=150°C, Max Power Dissipation=39W, Min Operating Temperature=-50°C, Package="PowerPAK®-1212 Vishay", Package Quantity=3000, Power Dissipation=3.7W, Supplier Part Number 1=SI7611DN-T1-GE3CT-ND, Threshold Voltage=-1V, ComponentLink1Description=https://datasheet.ciiva.com/16217/si7611dn-16217425.pdf?src-supplier=Future+Electronics, ComponentLink1URL=https://datasheet.ciiva.com/16217/si7611dn-16217425.pdf?src-supplier=Future+Electronics, ComponentLink2Description=https://datasheet.ciiva.com/22652/1719651-22652413.pdf?src-supplier=Element14, ComponentLink2URL=https://datasheet.ciiva.com/22652/1719651-22652413.pdf?src-supplier=Element14, ComponentLink3Description=https://datasheet.ciiva.com/4441/si7611dn-244617-4441134.pdf?src-supplier=Mouser, ComponentLink3URL=https://datasheet.ciiva.com/4441/si7611dn-244617-4441134.pdf?src-supplier=Mouser, ComponentLink4Description=https://datasheet.ciiva.com/26791/si7611dn-t1-ge3-26791896.pdf?src-supplier=IIIC, ComponentLink4URL=https://datasheet.ciiva.com/26791/si7611dn-t1-ge3-26791896.pdf?src-supplier=IIIC, ComponentLink5Description=https://datasheet.ciiva.com/933/si7611dn-933572.pdf?src-supplier=Digi-Key, ComponentLink5URL=https://datasheet.ciiva.com/933/si7611dn-933572.pdf?src-supplier=Digi-Key, ComponentLink6Description=https://datasheet.ciiva.com/933/si7611dn-933574.pdf?src-supplier=Digi-Key, ComponentLink6URL=https://datasheet.ciiva.com/933/si7611dn-933574.pdf?src-supplier=Digi-Key, ComponentLink7Description=https://datasheet.ciiva.com/22671/si7611dn-22671641.pdf?src-supplier=Element14, ComponentLink7URL=https://datasheet.ciiva.com/22671/si7611dn-22671641.pdf?src-supplier=Element14, ComponentLink8Description=https://datasheet.ciiva.com/933/si7611dn-933573.pdf?src-supplier=Digi-Key, ComponentLink8URL=https://datasheet.ciiva.com/933/si7611dn-933573.pdf?src-supplier=Digi-Key, ComponentLink9Description=https://datasheet.ciiva.com/11159/si7611dn-11159816.pdf?src-supplier=Avnet, ComponentLink9URL=https://datasheet.ciiva.com/11159/si7611dn-11159816.pdf?src-supplier=Avnet, Digi-Key_Part_Number=SI7611DN-T1-GE3CT-ND, Digi-Key_Purchase_URL=https://www.digikey.com/product-detail/en/vishay-siliconix/SI7611DN-T1-GE3/SI7611DN-T1-GE3CT-ND/1978912?utm_source=snapeda&utm_medium=aggregator&utm_campaign=symbol, Fall Time=9ns, Height=1.04mm, Lead Free="Lead Free", Length=3.05mm, Manufacturer Part Number=SI7611DN-T1-GE3, MF="Vishay Siliconix", Mount="Surface Mount", MP=SI7611DN-T1-GE3, Nominal Vgs=-3V, Number of Channels=1, Number of Elements=1, Number of Pins=8, On-State Resistance=25mR, Packaging="Tape and Reel", Pricing 1="1=1.69000, 10=1.51900, 100=1.22090, 500=1.00310, 1000=0.83113 (USD)", Radiation Hardening=No, Rds On Max=25mR, REACH SVHC=Unknown, Rise Time=11ns, RoHS=Yes, SnapEDA_Link=https://www.snapeda.com/parts/SI7611DN-T1-GE3/Vishay%20Siliconix/view-part/?ref=snap, Stock 1=17511, Supplier 1=Digi-Key, Turn-Off Delay Time=30ns, Turn-On Delay Time=10ns, Width=3.05mm